# KiCad board CPU.kicad_pcb (continued)
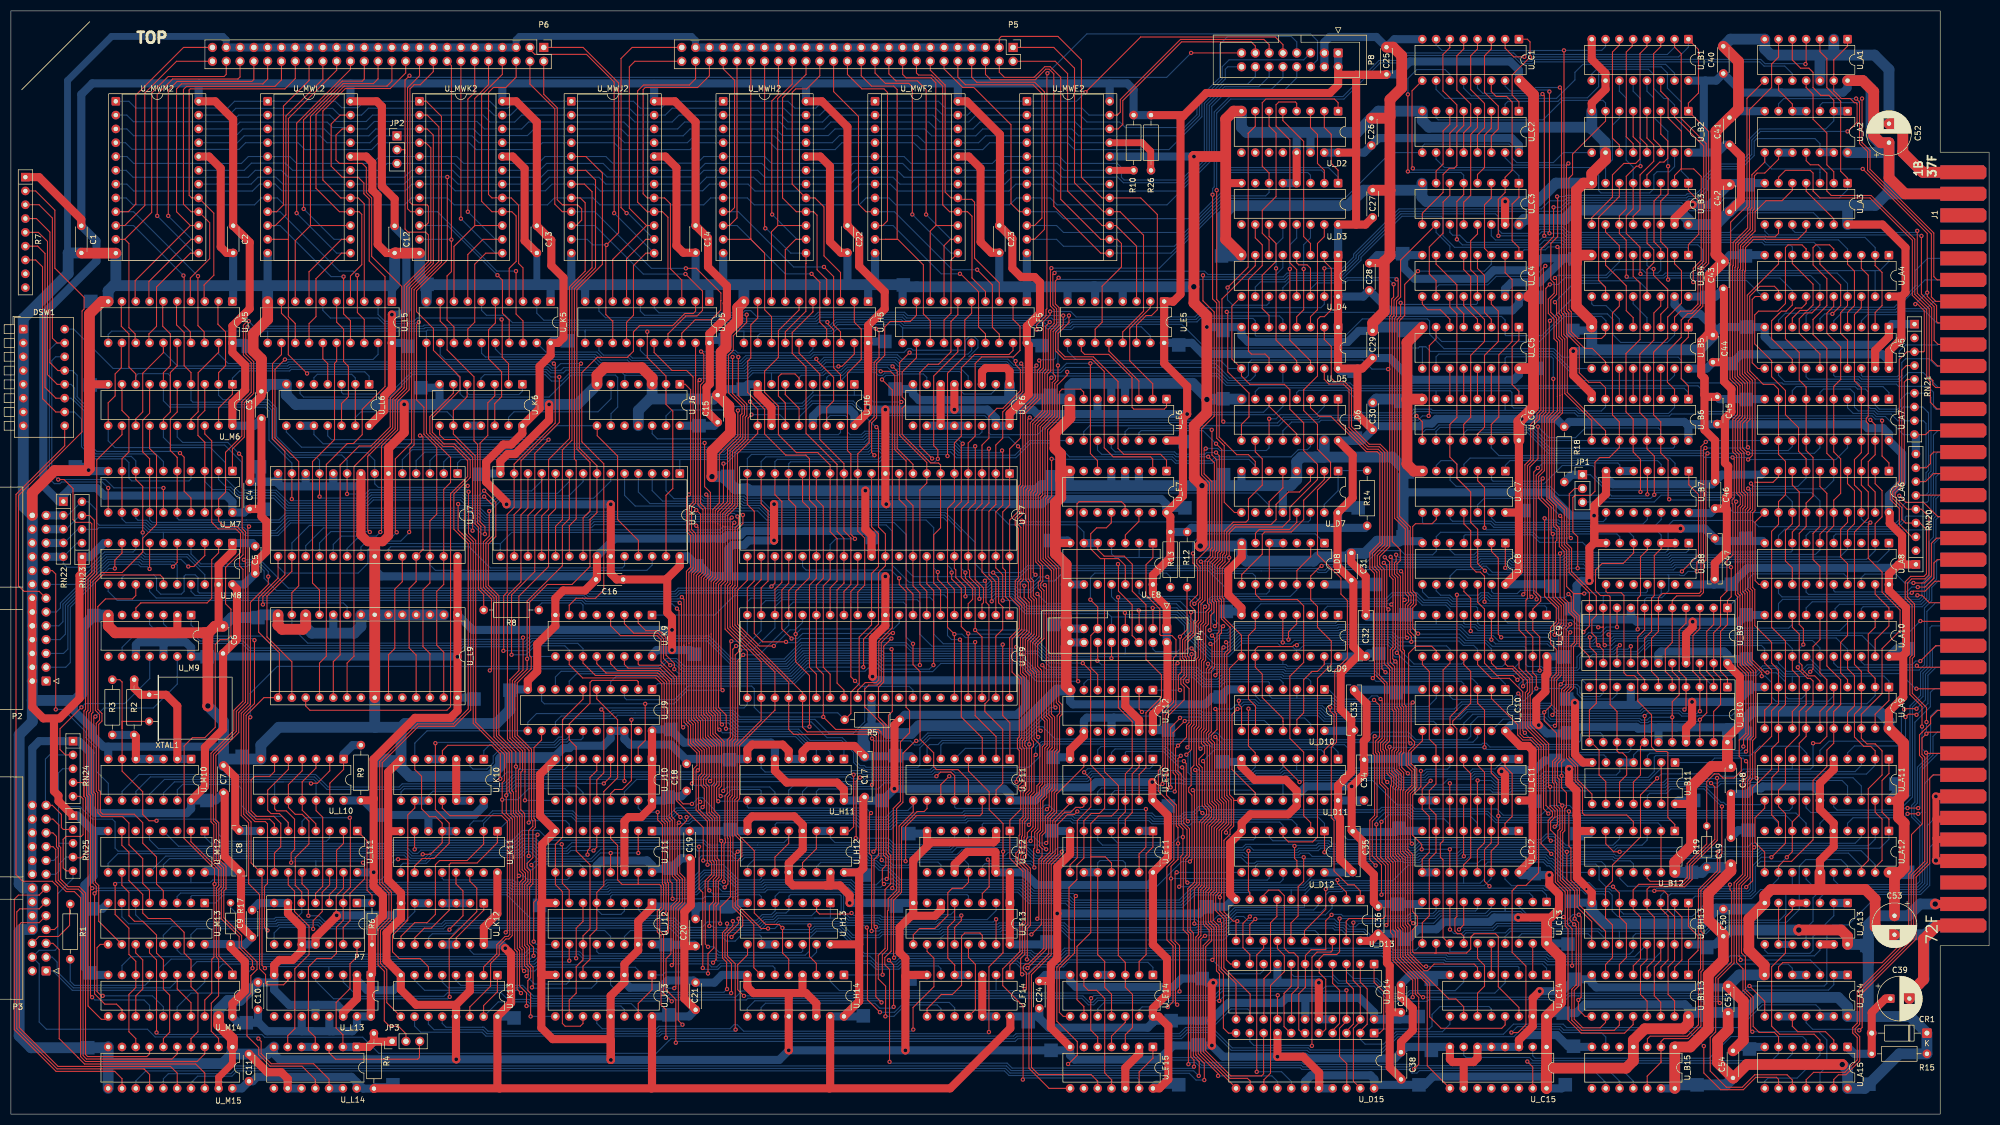
[diagram p0: board, top side]
## Routing (per net, layer and track width the routed paths; a pad name or vN(x,y) marks a point on that pad's centre or on a via; arc(x,y) is an arc through that point) (continued)
  Bottom w0.2: U_D12.13 239.17,43.53 239.16,43.53 237.78,42.15 217.09,42.15 216.79,41.84 v1(214.97,41.84) ; v1(123.7,71.17) 123.7,71.17 124.97,72.44 132.22,72.44 133.83,70.82 144.95,70.82 147.02,68.76 152.85,68.76 155.07,66.53 155.07,64.69 156.09,63.67 156.86,63.67 157.16,63.37 169.15,63.37 169.62,63.84 187.36,63.84 189.36,65.84 189.36,67.61 189.86,68.1 214.46,68.1 v1(214.76,67.8) ; v1(215.65,50.98) 214.87,50.98 213.85,49.95 203.59,49.95 202.52,51.03 U_E11.4 ; U_D8.1 240.01,106.77 219.18,106.77 217.5,105.1 v1(217.5,103.17) ; U_M8.14 25.52,96.19 26.75,94.97 105.25,94.97 105.86,94.36 122.79,94.36 v1(123.07,94.08)
/DMAStartCycle: length 237.5
  Top w0.2: U_D8.10 U_D8.5
  Bottom w0.2: U_M8.12 20.45,98.72 20.96,99.24 26.29,99.24 26.8,98.73 26.8,96.44 27.56,95.68 31.37,95.68 31.88,96.19 31.88,98.98 32.13,99.24 33.91,99.24 34.42,98.73 34.42,96.14 34.67,95.88 105.62,95.88 106.24,95.27 122.53,95.27 123.15,95.88 140.46,95.88 141.05,96.48 179.9,96.48 180.5,97.08 184.89,97.08 185.49,96.48 187.48,96.48 189.1,98.09 192.03,98.09 193.93,100 220.35,100 224.63,95.72 231.05,95.72 231.55,96.22 U_D8.10
  Bottom w1.5: U_D8.5 U_D8.4
/F13_D_{3}: length 54.4
  Top w0.2: v1(187.77,33.07) 189.61,34.9 189.61,46.68 191.25,48.32 191.25,54.36 192.42,55.53 192.42,58.9 197.44,63.92 U_E10.6
  Bottom w0.2: v1(187.77,33.07) 171.76,33.07 171.12,32.43 171.12,31.23
/INT_ACK: length 335.9
  Top w0.2: U_M13.12 25.51,29.67 26.8,28.37 v1(26.8,15.01)
  Bottom w0.2: v1(26.8,15.01) 27.16,14.66 46.19,14.66 46.7,14.15 64.75,14.15 67.71,11.19 118.74,11.19 121.05,13.5 121.09,13.5 121.48,13.89 184.67,13.89 185.12,14.35 215.21,14.35 216.33,15.47 221.46,15.47 224.74,12.19 238.7,12.19 239.09,11.81 252.16,11.81 255.07,14.71 274.63,14.71 276.48,16.56 285.63,16.56 286.26,15.93 318.1,15.93 322.29,20.11 332.11,20.11 332.88,19.35 U_A14.12
  Bottom w1.5: 335.42,17.99 U_A14.12
/INT_ENABLE: length 326.6
  Top w0.2: v1(283.43,47.89) 281.55,49.77 281.55,67.6 279.85,69.3 278.38,69.3 277.7,69.97 277.7,77.06 v1(277.37,77.39) ; U_F11.4 176.2,63.12 180.01,59.31 180.01,56.01 182.55,53.47 182.55,47.35 ; 182.55,47.35 182.55,48.29 v1(182.57,48.31) ; 182.55,47.35 182.55,29.69 179.96,27.1 v1(179.96,15.1)
  Bottom w0.2: U_B12.9 293.46,45.68 292.69,46.45 287.66,46.45 287.36,46.15 285.17,46.15 v1(283.43,47.89) 283.12,48.2 267.03,48.2 266.34,47.52 259.18,47.52 258.85,47.19 256.72,47.19 256.49,47.42 239.44,47.42 238.84,48.02 237.32,48.02 236.99,47.68 227.4,47.68 226.95,48.14 194.28,48.14 193.18,47.04 188.55,47.04 186.98,48.61 182.87,48.61 v1(182.57,48.31) ; U_K13.10 74.28,16.19 75.4,15.07 86.69,15.07 87.42,14.35 119.35,14.35 119.8,14.8 179.85,14.8 179.96,14.91 v1(179.96,15.1) ; v1(277.37,77.39) 276.93,76.96 276.92,76.96 276.27,76.31 265.36,76.31 264.8,76.87 U_C10.5
/J13_12: length 299.2
  Top w0.2: U_B12.1 306.16,53.3 304.93,54.53 ; v1(123.57,16.46) 122.81,17.22 122.81,37.69 124,38.88 124,43.44 123.07,44.38 123.07,52.73 124.34,54 v1(124.34,54.65) ; U_B8.8 293.5,96.19 293.75,95.94 296.29,95.94 296.8,95.43 296.8,81.2 297.31,80.7 298.71,80.7 299.34,80.06 299.34,76 301.88,73.46 301.88,67.62 302.77,66.73 304.68,66.73 304.89,66.51 304.89,54.53
  Bottom w0.2: v1(124.34,54.65) 124.55,54.44 125.08,54.97 155.8,54.97 157.03,53.74 161.36,53.74 162.6,54.97 175.21,54.97 175.59,55.35 195.49,55.35 195.91,54.93 196.53,54.93 196.53,54.93 209.79,54.93 210.39,54.33 215.3,54.33 216.06,55.1 217.74,55.1 218.79,56.15 220.26,56.15 220.86,55.55 251.96,55.55 252.39,55.99 257.24,55.99 257.98,55.24 271.58,55.24 273.18,53.64 284.6,53.64 285,54.04 305.42,54.04 306.16,53.3 U_B12.1 ; v1(123.57,16.46) 123.27,16.16 119.24,16.16 118.79,15.71 108.8,15.71 107.81,16.7 U_J13.12
/K7_OR_{0}: length 106.3
  Top w0.2: U_K7.12 95.14,111.54 93.86,110.26 93.86,97.92 91.37,95.43 91.37,68.98 93.68,66.67 93.68,63.58 93.38,63.28 93.38,55.73 94.08,55.04 94.08,44.96 94.68,44.35 94.68,43.06 94.08,42.46 94.08,30.87 94.51,30.44 94.51,27.32 95.18,26.65 95.18,25.69 v1(94.88,25.39)
  Bottom w0.2: v1(94.88,25.39) 96.34,23.93 98,23.93 98.01,23.93 102.24,23.93 102.73,24.42 U_J13.7
/K7_OR_{1}: length 110.7
  Top w0.2: U_K7.10 100.22,111.37 98.94,110.09 98.94,100.76 93.47,95.3 93.47,81.59 91.82,79.94 91.82,69.18 94.15,66.85 94.15,63.22 93.83,62.9 93.83,56.02 94.53,55.32 94.53,45.15 95.14,44.54 95.14,42.87 94.54,42.27 94.54,31.06 94.96,30.63 94.96,27.51 95.63,26.84 95.63,25.08 95.13,24.57 95.13,22.71 95.63,22.21 v1(95.63,17.99)
  Bottom w0.2: v1(95.63,17.99) U_J13.9
/K7_OR_{2}: length 135.4
  Top w0.2: v1(82.3,112.26) 82.3,107.48 83,106.77 83,106.77 84.61,105.16 84.61,74.37 81.6,71.35 81.31,71.35 81.31,71.35 74.99,71.35 68.32,64.67 68.32,42.57 69.73,41.16 69.73,41.14 70.02,40.85 70.02,35.82 68.01,33.81 68.01,27.74 69.17,26.58 69.17,20.52 U_K13.9
  Bottom w0.2: 87.83,111.96 88.56,111.96 90.36,113.77 102.67,113.77 105.3,116.4 U_K7.8 ; v1(82.3,112.26) 82.6,111.96 87.79,111.96
/K7_OR_{3}: length 139.6
  Top w0.2: v1(88.01,110.96) 88.01,106.36 86.94,105.29 86.94,96.94 88.88,95 88.88,69.42 91.71,66.59 91.71,59.35 92.02,59.05 92.02,55.17 92.71,54.47 92.71,30.31 93.15,29.88 93.15,22.98 v1(93.86,22.28)
  Bottom w0.2: v1(88.01,110.96) 88.2,110.96 90.55,113.31 107.22,113.31 110.38,116.47 U_K7.6 ; 74.28,25.62 74.28,24.63 76.13,22.78 93.35,22.78 v1(93.86,22.28)
/K7_S_{0}: length 80.2
  Top w0.2: v1(100.91,135.64) 100.91,127.27 93.86,120.21 93.86,111.56 92.6,110.31 U_K7.16
  Bottom w0.2: v1(100.91,135.64) 99.37,135.64 98.43,136.58 73.75,136.58 69.67,132.5 61.15,132.5 60.84,132.81 60.84,134.28
/K7_S_{1}: length 65.8
  Top w0.2: v1(98.93,124.1) 96.4,121.57 96.4,111.4 95.14,110.14 U_K7.17
  Bottom w0.2: U_L6.11 58.3,124.8 59,124.1 v1(98.93,124.1)
/L13_~{K}: length 192.6
  Top w0.2: v1(215.04,22.58) 215.04,31 214.21,31.83 214.21,44.2 v1(214.51,44.5)
  Bottom w0.2: U_D12.8 214.54,44.47 v1(214.51,44.5) ; v1(215.04,22.58) 214.74,22.28 135.72,22.28 135.34,22.66 134.5,22.66 133.35,21.51 121.26,21.51 120.56,20.81 95.69,20.81 95.39,21.11 91.42,21.11 90.2,22.33 80.34,22.33 79.69,21.68 63.77,21.68 61.14,24.31 U_L13.3
/M10C_a: length 389.7
  Top w0.2: v1(214.61,20.14) 214.29,20.46 214.29,31.11 213.46,31.94 v1(213.46,43.36) 213.46,45.59 214.76,46.89 214.76,52.7 214.45,53.01 214.45,56.88 212.64,58.69 v1(212.64,62.47) 212.87,62.7 212.87,73.22 215.88,76.23 215.88,78.55 215.28,79.15 215.28,80.15 215.88,80.75 215.88,83.65 215.59,83.94 215.59,87.25 217.12,88.78 217.12,92.3 v1(217.16,92.35) ; v1(155.07,62.46) 155.07,52.88 154.28,52.09 U_H12.1 ; U_D8.12 236.63,100.03 239.17,102.56 U_D8.2
  Bottom w0.2: U_E11.5 199.98,50.39 200.87,49.5 214.46,49.5 v1(214.76,49.8) ; v1(213.46,43.36) 214.24,43.36 214.24,43.35 223.4,43.35 223.7,43.05 231.17,43.05 231.55,43.43 U_D12.10 ; U_M10.9 20.47,59.38 23.59,62.5 56.06,62.5 58.36,60.19 71.44,60.19 72.02,60.78 90.73,60.78 92.45,62.5 155.03,62.5 v1(155.07,62.46) 155.31,62.7 156.54,62.7 156.78,62.46 169.53,62.46 170,62.93 170.62,62.93 170.62,62.93 172.97,62.93 173.55,62.35 185.98,62.35 186.65,61.68 197.97,61.68 198.94,62.65 212.46,62.65 v1(212.64,62.47) ; U_E8.11 202.52,95.22 203.38,94.36 215.15,94.36 v1(217.16,92.35) 219.76,92.35 220.48,93.07 220.48,93.69 220.47,93.69 220.47,94.79 220.95,95.27 235.43,95.27 236.63,96.47 U_D8.12 ; v1(214.61,20.14) 214.29,20.46 201.08,20.46 199.98,19.36 U_E14.10
/M10C_b: length 170.2
  Top w0.2: v1(155.45,50.77) 155.52,50.84 155.52,61.24 v1(156.23,61.95)
  Bottom w0.2: v1(156.23,61.95) 155.99,61.71 154.75,61.71 154.42,62.05 92.65,62.05 90.92,60.32 72.2,60.32 71.62,59.74 58.18,59.74 55.87,62.05 25.68,62.05 23.01,59.38 U_M10.10 ; v1(155.45,50.77) 161.42,50.77 162.62,49.56 172.51,49.56 173.66,50.72 U_F12.5
/MainClockPhi1: length 268.3
  Top w0.2: U_L11.7 48.5,53.41 47.63,54.28 45.09,54.28 43.75,55.62 43.75,72.73 v1(44.04,73.03)
  Bottom w0.2: v1(44.04,73.03) 44.04,77.42 49.02,82.39 119.17,82.39 120.6,83.82 121.83,83.82 121.84,83.82 122.5,83.82 123.93,82.39 142.85,82.39 145.73,85.27 160.29,85.27 160.82,84.74 188.74,84.74 191.26,82.22 218.27,82.22 219.27,81.21 220.86,81.21 221.47,81.82 234.24,81.82 234.55,81.51 251.03,81.51 251.99,80.55 273.58,80.55 274.96,79.17 U_C10.1
/MainClockPhi3: length 33.3
  Top w0.2: U_L11.12 53.58,42.34 53.6,42.34 54.74,41.2 v1(54.74,36.5)
  Bottom w0.2: U_K12.6 74.32,37.27 72.52,35.47 57.74,35.47 56.71,36.5 v1(54.74,36.5)
  Bottom w1.5: U_K12.6 U_K12.5
/MemAddr_LD_SWAP: length 280.3
  Top w0.2: U_B4.1 308.66,159.99 310.57,161.9 310.57,168.02 308.66,169.93 U_B3.1 ; U_B6.9 290.88,127.63 285.92,132.59 285.92,142.62 285.3,143.24 285.3,146.85 284.86,147.29 284.86,159.26 v1(284.56,159.56) ; U_C3.1 277.48,168.73 277.5,168.71 276.23,167.44 276.23,160.71 277.48,159.46 U_C4.1 ; U_C1.9 257.81,188.28 257.81,174.17 v1(257.96,174.02) ; U_C6.9 259.7,127.4 v1(258.64,128.46)
  Bottom w0.2: U_B3.1 308.66,172.22 307.37,173.51 307.37,186.21 304.8,188.77 304.8,191.57 303.66,192.71 292.23,192.71 290.88,191.36 U_B1.9 ; U_E6.10 197.4,125.56 198.5,126.67 233.3,126.67 234.43,127.79 240.54,127.79 240.88,128.14 258.32,128.14 v1(258.64,128.46) ; U_B4.1 308.66,159.24 308.4,159.5 284.63,159.5 v1(284.56,159.56) 282.86,159.56 282.33,159.04 278.46,159.04 U_C4.1 ; v1(257.96,174.02) 258.26,173.72 276.42,173.72 277.48,172.66 U_C3.1 ; U_B6.9 282.45,123.94 279.59,126.81 262.77,126.81 261.92,125.96 260.33,125.96 259.72,125.35 259.72,123.97
/MemFault_EN: length 149.7
  Top w0.2: 171.12,57.72 171.12,60.64 v1(172.66,62.18) ; U_B11.2 U_B11.13
  Bottom w0.2: U_B11.2 303.66,63.68 301.47,61.49 285.02,61.49 284.61,61.9 282.34,61.9 281.74,61.3 275.39,61.3 275.14,61.05 273.38,61.05 272.28,62.15 269.53,62.15 269.02,61.64 264.45,61.64 263.4,60.59 263.4,60.58 255.58,60.58 253.85,62.32 234.5,62.32 234.01,61.83 229.5,61.83 228.87,61.19 215.84,61.19 215.39,61.65 212.4,61.65 211.84,62.2 199.13,62.2 198.16,61.23 186.46,61.23 185.79,61.9 172.98,61.9 172.96,61.88 v1(172.66,62.18)
/MWR.A6_{0}: length 66.8
  Top w0.2: U_MWK2.9 73.54,166.04 72.98,166.6 72.98,188.85 75.19,191.06 75.19,193.98 ; v1(92.94,155.12) 92.94,154.97 92.95,154.96 92.95,147.23 94.23,145.95 U_K5.18
  Bottom w0.2: U_MWK2.9 78.49,166.04 89.41,155.12 v1(92.94,155.12)
/MWR.A6_{1}: length 68.5
  Top w0.2: P6.18 77.73,191.82 75.31,189.41 74.2,189.41 73.43,188.65 73.43,167.77 73.89,167.31 76.58,167.31 76.82,167.07 76.82,164.01 76.32,163.5 U_MWK2.10 ; v1(89.52,154.36) 90.45,153.44 90.45,147.35 91.69,146.1 U_K5.17
  Bottom w0.2: U_MWK2.10 80.39,163.5 v1(89.52,154.36)
/MWR.A6_{2}: length 58.4
  Top w0.2: 80.65,193.35 81.05,192.95 v1(81.05,160.91) 81.05,155.02 80.26,154.22 80.26,146.11 81.53,144.83 U_K5.13
  Bottom w0.2: v1(81.05,160.91) 81,160.96 U_MWK2.11
/MWR.A6_{3}: length 60.1
  Top w0.2: U_K5.14 84.07,144.44 85.35,145.72 85.35,156.39 87.38,158.42 U_MWK2.13 ; P6.14 v1(82.81,164.77)
  Bottom w0.2: U_MWK2.13 89.16,158.42 v1(82.81,164.77)
/MWR.A6_{4}: length 52.8
  Top w0.2: U_MWK2.14 86.87,160.96 84.07,158.16 U_K5.7 ; P6.12 85.35,188.01 84.08,186.74 v1(84.08,166.04)
  Bottom w0.2: v1(84.08,166.04) 89.16,160.96 U_MWK2.14
/MWR.A6_{5}: length 51.9
  Top w0.2: P6.10 87.89,189.42 85.35,186.88 85.35,163.52 85.37,163.5 ; 85.37,163.5 81.53,159.66 U_K5.8 ; 85.37,163.5 U_MWK2.15
/MWR.A6_{6}: length 51.1
  Top w0.2: U_K5.4 91.69,155.62 92.97,156.9 92.97,165.25 92.18,166.04 U_MWK2.16 88.52,166.04 86.62,167.94 86.62,187.51 90.43,191.32 P6.8
/MWR.A6_{7}: length 52.4
  Top w0.2: P6.6 92.97,190.81 91.06,188.9 88.78,188.9 87.89,188.01 87.89,169.21 88.52,168.58 U_MWK2.17 92.08,168.58 93.42,167.23 93.42,156.52 94.23,155.7 U_K5.3
/MWR.B5_{0}: length 70.2
  Top w0.2: v1(177.8,155.37) 180.6,152.58 180.6,144.78 181.86,143.51 U_F5.18 ; P5.28 151.39,188.14 155.96,183.57 155.96,167.43 157.36,166.04 U_MWF2.9
  Bottom w0.2: v1(177.8,155.37) 173.23,155.37 162.57,166.04 U_MWF2.9
/MWR.B5_{1}: length 70.6
  Top w0.2: U_F5.17 179.32,143.56 178.06,144.83 178.06,151.31 174.75,154.62 v1(174.63,154.62) ; U_MWF2.10 160.4,163.5 161.3,164.39 161.3,188.01 160.66,188.65 156.59,188.65 153.93,191.31 153.93,192.83
  Bottom w0.2: v1(174.63,154.62) 171.19,154.62 162.31,163.5 U_MWF2.10
/MWR.B5_{2}: length 65.8
  Top w0.2: 160.91,160.96 163.2,160.96 167.9,156.26 167.9,147.24 169.17,145.97 169.17,141.9 ; 160.91,160.96 163.07,160.96 163.07,188.52 162.44,189.15 158.37,189.15 156.47,191.06 P5.24 ; 160.91,160.96 U_MWF2.11
/MWR.B5_{3}: length 62.5
  Top w0.2: v1(165.87,165.53) 165.87,189.02 165.23,189.66 160.91,189.66 159.01,191.56 P5.22 ; U_MWF2.13 172.98,157.16 172.98,147.37 171.7,146.1 U_F5.14
  Bottom w0.2: U_MWF2.13 172.98,158.42 v1(165.87,165.53)
/MWR.B5_{4}: length 54.4
  Top w0.2: P5.20 161.55,191.4 162.84,190.12 166.81,190.12 168.41,188.52 v1(168.41,165.53) ; U_MWF2.14 172.85,160.96 171.7,159.81 U_F5.7
  Bottom w0.2: U_MWF2.14 172.98,160.96 v1(168.41,165.53)
/MWR.B5_{5}: length 53.9
  Top w0.2: 170.19,163.5 U_MWF2.15 ; 170.19,163.5 169.16,162.48 U_F5.8 ; 170.19,163.5 170.19,189.79 169.3,190.68 164.72,190.68 164.09,191.31 P5.18
/MWR.B5_{6}: length 52.8
  Top w0.2: U_F5.4 179.32,151.38 176.84,153.86 176.84,165.22 176.03,166.04 U_MWF2.16 172.72,166.04 171.46,167.31 171.46,189.16 169.43,191.19 167.01,191.19 166.63,191.56 P5.16
/MWR.B5_{7}: length 51.2
  Top w0.2: U_F5.3 181.86,152.96 177.32,157.51 177.32,167.79 176.79,168.33 174.5,168.33 ; P5.14 169.17,192.09 171.91,189.35 171.91,169.65 172.98,168.58 U_MWF2.17
/MWR.C4_{0}: length 68.7
  Top w0.2: U_MWH2.9 132.39,166.04 133.16,166.8 133.16,190.25 131.07,192.33 131.07,194.23 ; v1(149.61,155.88) 151.39,154.1 151.39,145.21 152.65,143.95 U_H5.18
  Bottom w0.2: v1(149.61,155.88) 144.02,155.88 133.86,166.04 U_MWH2.9
/MWR.C4_{1}: length 65.8
  Top w0.2: U_MWH2.10 132.21,163.5 133.61,164.9 P5.42 ; U_H5.17 150.11,144.45 148.85,145.72 148.85,153.09 v1(147.33,154.61)
  Bottom w0.2: U_MWH2.10 133.61,163.5 142.5,154.61 v1(147.33,154.61)
/MWR.C4_{2}: length 58.5
  Top w0.2: P5.40 136.15,161.09 ; 136.15,161.09 136.02,160.96 U_MWH2.11 ; 136.15,161.09 136.15,160.96 138.69,158.42 138.69,148.01 139.96,146.74 139.96,141.91
/MWR.C4_{3}: length 58.3
  Top w0.2: U_MWH2.13 146.3,156.51 146.28,156.49 146.28,147.73 142.49,143.94 U_H5.14 ; P5.38 138.69,163.12 v1(138.81,162.99)
  Bottom w0.2: v1(138.81,162.99) 138.94,162.99 143.52,158.42 U_MWH2.13
/MWR.C4_{4}: length 51
  Top w0.2: U_H5.7 142.49,159.05 144.4,160.96 U_MWH2.14 ; P5.36 141.23,187.64 140.01,186.42 140.01,165.6 v1(140.08,165.53)
  Bottom w0.2: U_MWH2.14 144.66,160.96 v1(140.08,165.53)
/MWR.C4_{5}: length 51
  Top w0.2: 141.1,163.5 U_MWH2.15 ; 141.1,163.5 141.1,186.87 143.77,189.54 P5.34 ; 141.1,163.5 139.95,162.35 U_H5.8
/MWR.C4_{6}: length 51.2
  Top w0.2: U_H5.4 150.11,153.6 148.34,155.37 148.34,165.4 147.7,166.04 U_MWH2.16 144.53,166.04 141.99,168.58 141.99,187 146.31,191.32 P5.32
/MWR.C4_{7}: length 52.2
  Top w0.2: P5.30 148.85,191.06 146.43,188.65 144.4,188.65 143.77,188.01 143.77,171.12 U_MWH2.17 147.96,168.58 149.61,166.93 149.61,157.91 152.65,154.87 U_H5.3
/MWR.D3_{0}: length 66.1
  Top w0.2: U_MWL2.9 48.9,166.04 50.15,167.29 50.15,185.49 54.87,190.21 P6.36 ; U_L5.18 65.02,146.23 63.76,147.5 63.76,154.33 v1(63.73,154.36)
  Bottom w0.2: U_MWL2.9 49.54,166.04 60.46,155.12 62.97,155.12 v1(63.73,154.36)
/MWR.D3_{1}: length 65.9
  Top w0.2: v1(61.22,154.1) 61.22,147.24 62.48,145.98 U_L5.17 ; U_MWL2.10 48.64,163.5 50.6,165.46 50.6,183.65 57.41,190.45 P6.34
  Bottom w0.2: v1(61.22,154.1) 58.93,154.1 49.54,163.5 U_MWL2.10
/MWR.D3_{2}: length 59.9
  Top w0.2: 51.06,160.96 51.06,146.74 52.32,145.47 U_L5.13 ; 51.06,160.96 U_MWL2.11 ; 51.06,160.96 51.06,183.19 59.95,192.08 P6.32
/MWR.D3_{3}: length 65.6
  Top w0.2: U_L5.14 54.86,145.46 56.14,146.74 56.14,153.72 60.84,158.42 U_MWL2.13 ; v1(52.58,165.79) 52.58,182.32 62.49,192.23 P6.30
  Bottom w0.2: U_MWL2.13 59.95,158.42 v1(52.58,165.79)
/MWR.D3_{4}: length 60.5
  Top w0.2: P6.28 65.03,190.45 64.65,190.07 60.97,190.07 53.85,182.95 53.85,166.58 v1(53.88,166.56) ; U_MWL2.14 60.84,160.96 54.86,154.99 U_L5.7
  Bottom w0.2: U_MWL2.14 59.47,160.96 v1(53.88,166.56)
/MWR.D3_{5}: length 61.1
  Top w0.2: U_L5.8 52.32,160.7 55.12,163.5 ; 55.12,163.5 55.12,183.58 61.16,189.62 66.68,189.62 67.57,190.51 P6.26 ; 55.12,163.5 U_MWL2.15
/MWR.D3_{6}: length 61.1
  Top w0.2: P6.24 70.11,190.05 69.22,189.16 61.35,189.16 56.14,183.95 56.14,170.36 60.45,166.04 U_MWL2.16 64.09,166.04 64.57,165.56 64.57,156.31 62.48,154.23 U_L5.4
/MWR.D3_{7}: length 60.4
  Top w0.2: U_L5.3 65.02,167.49 63.93,168.58 U_MWL2.17 60.71,168.58 57.41,171.88 57.41,184.58 61.54,188.71 69.79,188.71 72.65,191.57 P6.22
/MWR.E2_{0}: length 74.9
  Top w0.2: U_MWM2.9 21.59,166.04 22.99,167.44 22.99,187.5 31.76,196.27 37.09,196.27 ; 35.56,141.9 35.56,143.94 34.42,145.08 34.42,154.18 v1(34.43,154.19)
  Bottom w0.2: U_MWM2.9 22.58,166.04 v1(34.43,154.19)
/MWR.E2_{1}: length 71.6
  Top w0.2: U_MWM2.10 20.96,163.5 24.64,167.18 24.64,187.88 30.49,193.73 37.09,193.73 ; 33.02,141.9 33.02,143.95 31.88,145.09 31.88,154.18 v1(31.76,154.31)
  Bottom w0.2: v1(31.76,154.31) 22.56,163.5 U_MWM2.10
/MWR.E2_{2}: length 68
  Top w0.2: 20.96,160.96 21.72,160.2 21.72,144.7 22.86,143.56 22.86,141.9 ; 20.96,160.96 25.91,165.91 25.91,187.88 28.95,190.92 39.23,190.92 39.63,191.32 39.63,193.73 ; 20.96,160.96 U_MWM2.11
/MWR.E2_{3}: length 73.2
  Top w0.2: U_MWM2.13 33.02,158.42 26.8,152.2 26.8,144.96 25.4,143.56 25.4,142.15 ; P6.46 42.17,190.85 41.79,190.46 29.76,190.46 26.93,187.63 v1(26.93,165.28)
  Bottom w0.2: v1(26.93,165.28) 33.79,158.42 U_MWM2.13
/MWR.E2_{4}: length 66.3
  Top w0.2: 25.4,149.77 25.4,153.21 33.15,160.96 U_MWM2.14 ; P6.44 44.71,190.39 44.33,190.01 30.58,190.01 28.96,188.39 28.96,165.22
  Bottom w0.2: U_MWM2.14 33.28,160.96 v1(28.96,165.28)
/MWR.E2_{5}: length 66.5
  Top w0.2: U_MWM2.15 33.02,163.5 ; 33.02,163.5 30.49,166.04 30.49,188.65 31.39,189.55 46.36,189.55 47.25,190.45 P6.42 ; 33.02,163.5 22.86,153.34 22.86,149.77
/MWR.E2_{6}: length 65.3
  Top w0.2: P6.40 49.79,190.3 48.59,189.1 32.31,189.1 31.76,188.54 31.76,167.43 33.15,166.04 U_MWM2.16 36.58,164.01 36.58,157.4 33.02,153.84 33.02,149.77
/MWR.E2_{7}: length 65.6
  Top w0.2: P6.38 52.33,190.55 50.42,188.65 33,188.65 32.8,188.44 32.8,169.06 33.28,168.58 U_MWM2.17 37.34,165.79 37.34,154.36 35.56,152.57 35.56,149.77
/MWR.F1_{0}: length 79.4
  Top w0.2: P6.4 95.51,189.54 100.08,184.97 100.08,167.43 101.48,166.04 U_MWJ2.9 ; U_J5.18 123.44,143.69 125.92,146.17 128.85,146.17 130.62,147.94 130.62,149.66 130.65,149.69 130.65,151.09 126.11,155.63 v1(124.2,155.63)
  Bottom w0.2: v1(124.2,155.63) 117.86,155.63 107.45,166.04 U_MWJ2.9
/MWR.F1_{1}: length 78.6
  Top w0.2: P6.2 98.05,187.64 100.54,185.16 100.54,168.25 101.48,167.31 104.27,167.31 105.03,166.55 105.03,164.52 104.02,163.5 U_MWJ2.10 ; U_J5.17 120.9,143.56 124.2,146.86 126.24,146.86 127.26,147.88 127.26,151.44 v1(124.13,154.57)
  Bottom w0.2: v1(124.13,154.57) 116.37,154.57 107.45,163.5 U_MWJ2.10
/MWR.F1_{2}: length 72.8
  Top w0.2: U_J5.13 110.74,145.97 110.62,145.97 109.47,147.12 109.47,159.82 v1(109.6,159.94) 111.82,162.17 111.82,189.74 105.29,196.27 P6.1
  Bottom w0.2: U_MWJ2.11 106.05,160.96 107.06,159.94 v1(109.6,159.94)
/MWR.F1_{3}: length 72
  Top w0.2: 95.51,195.88 96.4,195 105.92,195 111,189.92 v1(111,165.79) ; U_MWJ2.13 116.84,158.42 114.56,156.14 114.56,146.99 113.28,145.72 U_J5.14
  Bottom w0.2: v1(111,165.79) 111,165.78 U_MWJ2.13
/MWR.F1_{4}: length 62.4
  Top w0.2: U_MWJ2.14 116.84,160.96 113.28,157.4 U_J5.7 ; v1(113.29,165.79) 112.27,166.8 112.27,194.23 114.31,196.27 123.45,196.27
  Bottom w0.2: v1(113.29,165.79) 113.54,165.79 U_MWJ2.14
/MWR.F1_{5}: length 58.6
  Top w0.2: 116.97,163.5 113.8,166.67 113.8,192.71 114.82,193.73 123.45,193.73 ; 116.97,163.5 110.74,157.27 U_J5.8 ; 116.97,163.5 U_MWJ2.15
/MWR.F1_{6}: length 57.5
  Top w0.2: 125.99,193.73 125.99,190.5 124.84,189.35 116.41,189.35 115.32,188.27 115.32,167.82 117.1,166.04 U_MWJ2.16 119.89,166.04 120.9,165.03 U_J5.4
/MWR.F1_{7}: length 59.7
  Top w0.2: U_J5.3 123.44,153.46 121.36,155.55 121.36,167.49 120.27,168.58 U_MWJ2.17 117.1,168.58 116.34,169.34 116.34,188.52 116.72,188.9 126.37,188.9 128.53,191.06 P5.46
/MWR.H0_{0}: length 115.8
  Top w0.2: U_D3.1 244.21,173.65 244.22,173.66 242.95,174.93 242.95,180.26 241.67,181.55 U_D2.2 ; U_MWE2.9 185.55,166.04 184.03,167.56 184.03,182.04 177.17,188.9 175.14,188.9 171.71,192.33 P5.12
  Bottom w0.2: U_MWE2.9 192.41,166.04 193.68,164.77 217.88,164.77 222.91,169.8 222.91,173.08 223.99,174.17 242.45,174.17 244.21,172.41 U_D3.1
/MWR.H0_{1}: length 124.2
  Top w0.2: P5.10 174.25,190.8 175.64,189.41 188.09,189.41 189.72,187.78 189.72,164.88 188.34,163.5 U_MWE2.10 ; U_D2.3 239.13,181.55 240.41,180.26 240.41,174.93 241.67,173.68 U_D3.2
  Bottom w0.2: U_D3.2 241.67,173.14 241.68,173.15 241.12,173.71 224.18,173.71 223.36,172.9 223.36,169.61 215.98,162.23 193.68,162.23 192.41,163.5 U_MWE2.10
/MWR.H0_{2}: length 108.7
  Top w0.2: U_MWE2.11 188.34,160.96 190.18,162.79 190.18,188.08 188.4,189.86 177.73,189.86 176.79,190.8 P5.8
  Bottom w0.2: U_MWE2.11 192.41,160.96 193.68,159.69 214.09,159.69 223.82,169.42 223.82,172.71 224.37,173.26 238.64,173.26 239.13,172.77 U_D3.3
/MWR.H0_{3}: length 121.9
  Top w0.2: U_D3.6 231.51,173.17 230.25,174.42 230.25,186.11 230.93,186.78 243.55,186.78 244.21,186.12 U_D2.1 ; U_MWE2.13 200.54,158.42 191.9,167.06 191.9,191.42 191.04,192.27 190.42,192.27 188.46,190.32 180.32,190.32 179.33,191.31 P5.6
  Bottom w0.2: U_MWE2.13 213.46,158.42 224,168.97 230.89,168.97 231.51,169.58 U_D3.6
/MWR.H0_{4}: length 72.6
  Top w0.2: 199.5,141.91 199.5,144.44 200.79,145.72 200.79,152.32 204.35,155.88 204.35,160.2 203.58,160.96 U_MWE2.14 200.54,160.96 193.17,168.33 193.17,190.79 191.23,192.73 190.23,192.73 188.27,190.77 182.82,190.77 181.87,191.72 P5.4
/MWR.H0_{5}: length 59.6
  Top w0.2: U_E5.3 207.12,159.7 203.33,163.5 U_MWE2.15 200.79,163.5 194.44,169.85 194.44,191.44 192.15,193.73 P5.2
/MWR.H0_{6}: length 72.1
  Top w0.2: U_E5.13 204.59,143.93 208.41,147.75 208.41,161.72 204.09,166.04 U_MWE2.16 201.04,166.04 195.71,171.37 195.71,192.46 191.9,196.27 P5.1
/MWR.H0_{7}: length 82.9
  Top w0.2: P5.3 181.87,197.92 182.25,198.3 192.66,198.3 196.98,193.98 196.98,172.39 200.79,168.58 U_MWE2.17 207.9,168.58 210.95,165.53 210.95,148.01 209.88,146.94 208.88,146.94 207.12,145.18 U_E5.14
/MWROMEN: length 31.9
  Top w0.2: U_L14.2 61.09,14.6 59.85,15.85 59.85,20.55 62.4,23.1 62.4,27.65 63.69,28.94 P7.14
  Top w1.5: U_L14.1 65.8,12.36 66.8,13.36 R4.2 ; 70.1,13.35 66.79,13.35
  Bottom w1.5: U_L14.1 U_L14.2
/Page.B_{0}: length 386.9
  Top w0.2: U_D11.10 228.97,59.12 224.69,63.4 224.69,73.54 v1(225.69,74.55) ; v1(217.47,59.61) 217.77,59.31 217.77,42.69 216.55,41.46 216.55,33.73 217.12,33.16 217.12,10.54 217.71,9.95 217.71,8.75 v1(217.69,8.73) ; U_B9.4 308.23,90.35 306.96,89.08 306.96,81.46 308.23,80.19 U_B10.4 308.23,74.73 v1(307.95,74.45)
  Bottom w0.2: v1(217.69,8.73) 217.39,8.43 212.65,8.43 212.24,8.02 184.04,8.02 183.19,8.87 40.45,8.87 39.54,7.95 24.82,7.95 22.98,6.12 U_M15.13 ; U_D11.10 228.97,59.12 228.48,59.61 v1(217.47,59.61) ; v1(307.95,74.45) 307.7,74.69 300.34,74.69 299.83,74.18 284.63,74.18 283.21,75.6 278.61,75.6 278.6,75.59 277.48,75.59 276.83,74.95 267.64,74.95 266.34,73.64 242.16,73.64 241.1,74.7 229.26,74.7 228.6,75.36 226.95,75.36 226.14,74.55 v1(225.69,74.55)
/Page.B_{1}: length 381.5
  Top w0.2: U_D11.7 228.97,66.49 227.71,67.74 v1(227.71,74.6) ; v1(217.92,63.33) 218.22,63.03 218.22,42.5 217,41.28 217,33.92 217.57,33.35 217.57,10.73 218.66,9.65 218.66,7.12 v1(218.57,7.04) ; U_B9.3 310.77,89.33 309.5,88.06 309.5,81.46 310.77,80.19 U_B10.3 v1(310.77,74.14)
  Bottom w0.2: 218.64,63.37 219,63.01 228.11,63.01 228.97,63.86 U_D11.7 ; 218.64,63.37 217.97,63.37 v1(217.92,63.33) 217.65,63.33 217.61,63.37 218.64,63.37 ; v1(310.77,74.14) 310.63,74.14 310.18,73.69 307.62,73.69 307.07,74.24 300.53,74.24 300.02,73.72 284.44,73.72 283.02,75.15 278.8,75.15 278.79,75.14 277.74,75.14 277.09,74.49 267.83,74.49 266.52,73.18 241.97,73.18 240.91,74.25 228.07,74.25 v1(227.71,74.6) ; v1(218.57,7.04) 217.63,7.98 212.84,7.98 212.42,7.56 183.85,7.56 183,8.41 41.46,8.41 40.48,7.44 28.98,7.44 28.06,6.52 U_M15.15
/Page.B_{2}: length 377.1
  Top w0.2: v1(242.74,74.85) 242.74,74.18 243.46,73.46 243.46,68.76 241.67,66.97 U_D11.2 ; v1(219.36,64.95) 219.66,64.65 219.66,56.93 220.46,56.13 220.46,54.9 219.13,53.57 219.13,42.12 218.51,41.5 218.51,33.05 218.03,32.57 218.03,10.92 219.59,9.36 v1(219.59,6.27) ; U_B9.2 313.31,90.09 312.04,88.82 312.04,81.46 313.31,80.19 U_B10.2
  Bottom w0.2: 33.15,4.49 33.15,5.76 34.37,6.99 40.67,6.99 41.64,7.96 182.81,7.96 183.67,7.11 212.61,7.11 213.03,7.52 216.81,7.52 218.06,6.27 v1(219.59,6.27) ; v1(219.36,64.95) 221.48,67.07 241.09,67.07 241.68,66.47 241.68,66.22 241.67,66.2 U_D11.2 ; U_B10.2 311.6,80.3 282.37,80.3 282.01,79.93 278.39,79.93 277.49,79.04 277.49,78.42 278.13,77.78 278.13,77.01 277.62,76.5 277.11,76.5 276.46,75.85 266.89,75.85 265.58,74.55 243.04,74.55 v1(242.74,74.85)
